# Altium PCB 全兼容主控.PCBDOC (part 1 of 9) (continued)
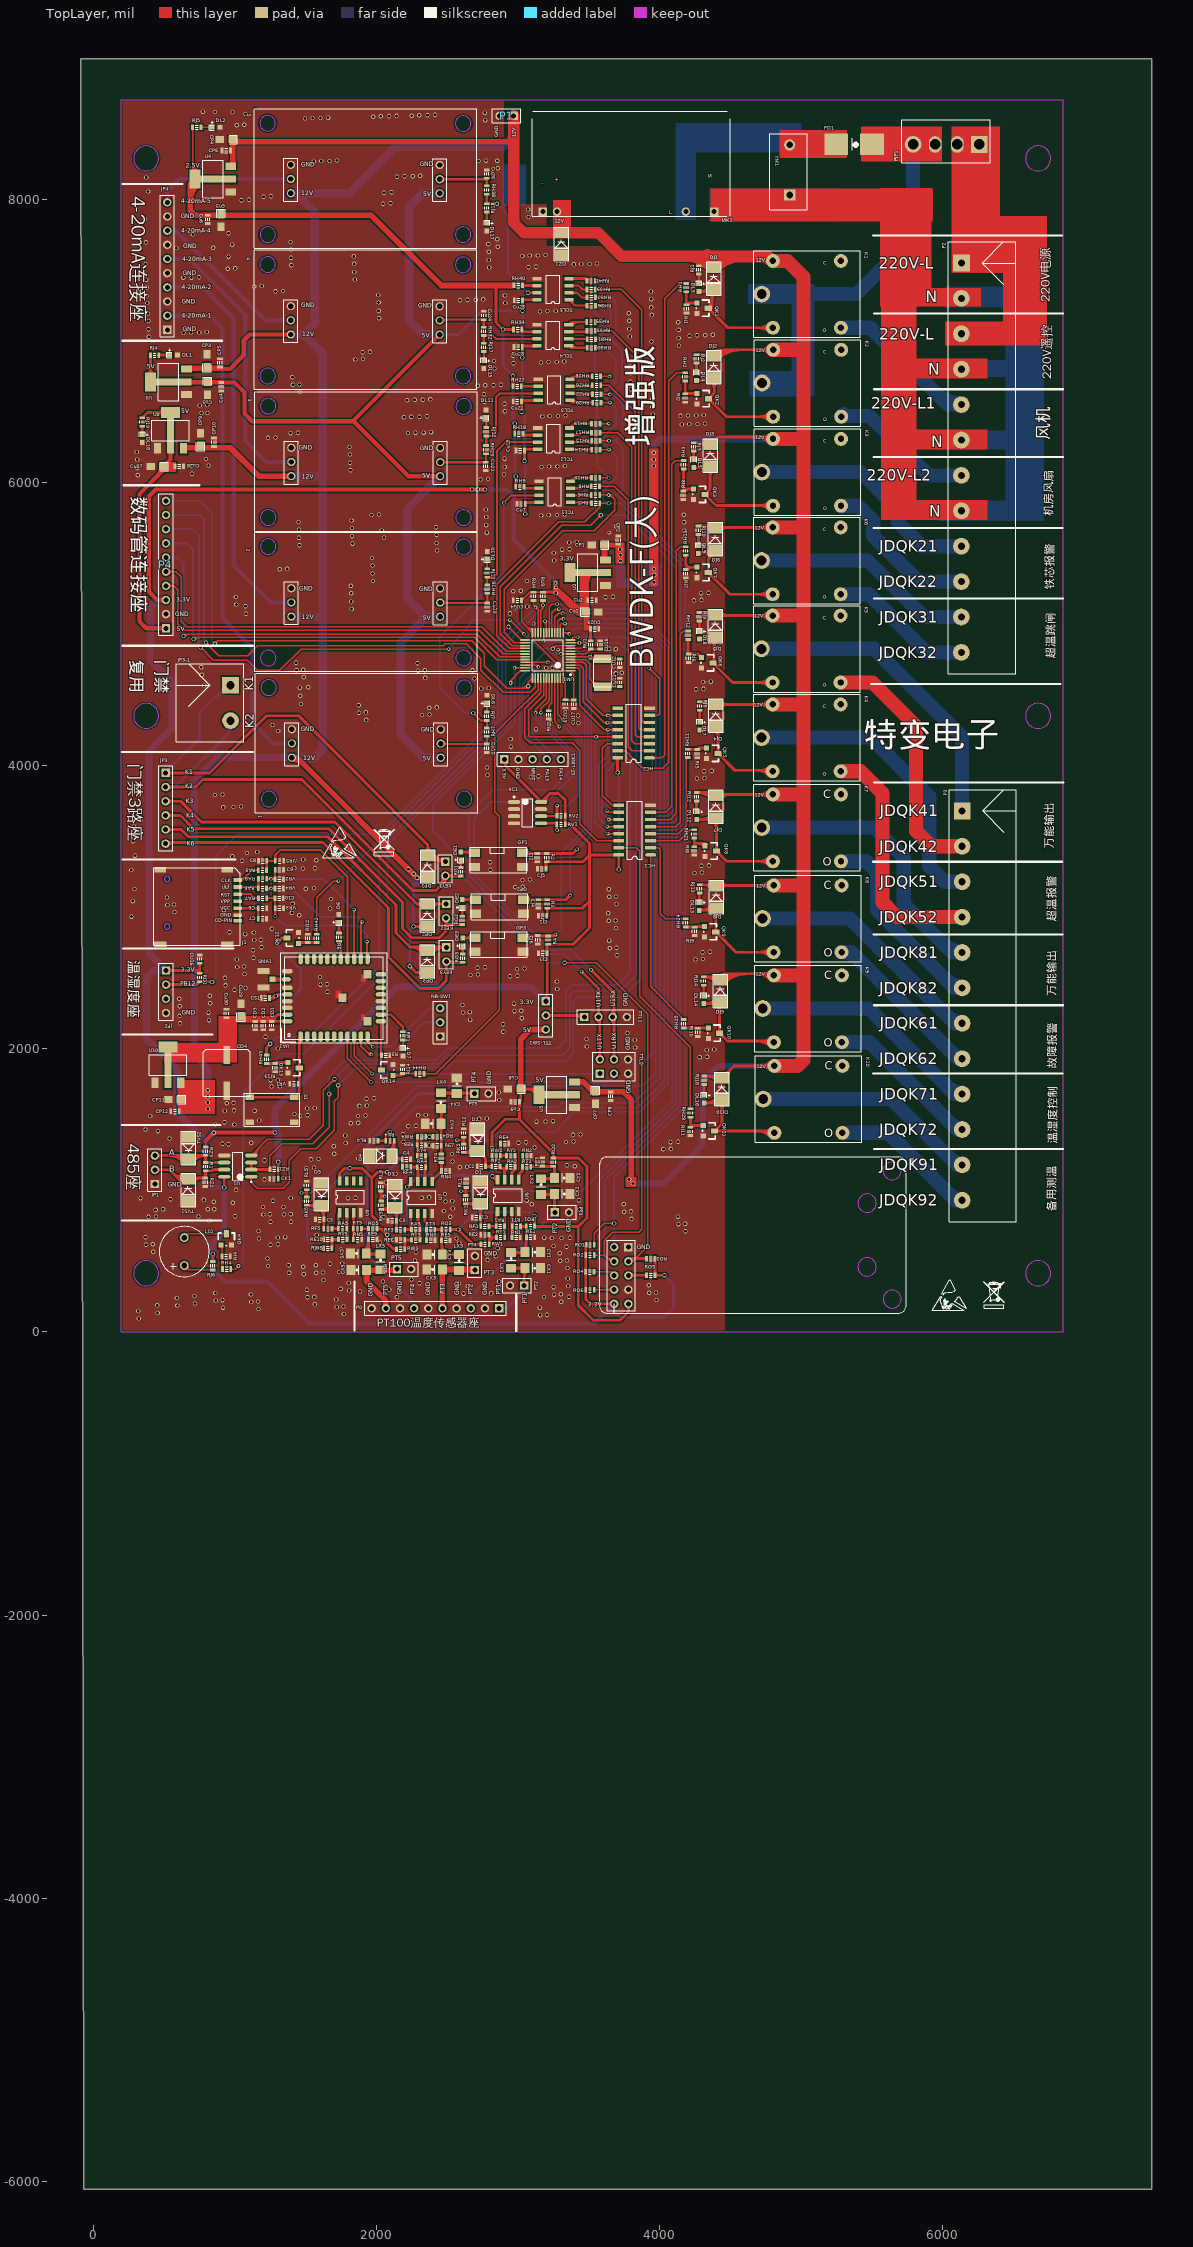
[diagram p0: TopLayer view]
## Components (designator, comment, footprint, x,y, rotation, side; value= is the part's Value field where it differs from the comment) (continued)
RH36 "1K" 0603-1 3517.01,7248.47 r180 top
RH37 "1K" 0603-1 3517.02,7305.96 r180 top
RH38 "1K" 0603-1 2779.6,8064.35 r270 top
RH39 "1K" 0603-1 3516.53,7361.8 r180 top
RH40 "1K" 0603-1 3001.74,7390.56 r0 top
RH41 "1K" 0603-1 3516.17,7422.8 r180 top
RH42 "1K" 0603-1 1577.36,2778.85 r90 top
RH43 "1K" 0603-1 1224.75,1925.69 r90 top
RH44 "1K" 0603-1 2306.75,1821.95 r0 top
RI1 "10K" 0603-1 4190.4,7225.06 r270 top
RI2 "10K" 0603-1 4181,6595.32 r270 top
RI3 "10K" 0603-1 4168.02,5908.33 r270 top
RI4 "10K" 0603-1 938.34,532.69 r0 top
RI5 "10K" 0603-1 4266.15,4083.76 r270 top
RI6 "10K" 0603-1 4204.99,4757.86 r270 top
RI7 "10K" 0603-1 4184.91,5354.35 r270 top
RI8 "10K" 0603-1 4244.57,3397.04 r270 top
RI9 "10K" 0603-1 4247.37,2828.7 r270 top
RI10 "10K" 0603-1 4270.76,2115.42 r270 top
RI11 "10K" 0603-1 4217.69,1415.32 r270 top
RI12 "10K" 0603-1 1514.49,2778.79 r90 top
RI13 "10K" 0603-1 1284.4,1865.94 r270 top
RI14 "10K" 0603-1 2186.97,1853.22 r90 top
RJ1 "10K" 0603-1 4277.03,7500.61 r270 top
RJ2 "10K" 0603-1 4260.78,6871.59 r270 top
RJ3 "10K" 0603-1 4241.9,6250.11 r270 top
RJ4 "10K" 0603-1 433.41,6898.19 r0 top
RJ5 "10K" 0603-1 731.56,8507.38 r0 top
RJ6 "10" 0603-1 845.08,467.11 r270 top
RJ7 "10K" 0603-1 2780.14,4347.54 r90 top
RJ8 "10K" 0603-1 4284.02,4420.13 r270 top
RJ9 "10K" 0603-1 4280.03,5050.22 r270 top
RJ10 "10K" 0603-1 4275.13,5661.57 r270 top
RJ11 "10K" 0603-1 2782.4,5359.42 r90 top
RJ12 "10K" 0603-1 4261.72,3778.79 r270 top
RJ13 "10K" 0603-1 4282.4,3128.62 r270 top
RJ14 "10K" 0603-1 4310.56,2477.72 r270 top
RJ15 "10K" 0603-1 2776.06,6357.06 r90 top
RJ16 "10K" 0603-1 4315.66,1776.6 r270 top
RJ17 "10K" 0603-1 2758.76,6952.88 r270 top
RJ18 "10K" 0603-1 2779.41,7937.83 r270 top
RJ19 "10K" 0603-1 345.15,6425.72 r270 top
RK1 "10K" 0603-1 2631.88,933.3 r270 top
RK2 "10K" 0603-1 2617.2,1297.25 r270 top
RK3 "10K" 0603-1 2033.36,894.33 r270 top
RK4 "10K" 0603-1 2096.16,1350.04 r0 top
RK5 "10K" 0603-1 1507.7,923.46 r270 top
RL1 "10K" 0603-1 2633.97,1049.61 r270 top
RL2 "10K" 0603-1 2616.55,1404.18 r270 top
RL3 "10K" 0603-1 2032.13,1024.16 r270 top
RL4 "10K" 0603-1 1982.56,1350.04 r0 top
RL5 "10K" 0603-1 1506.84,1033.56 r270 top
RN1 "100K" 0603-1 2986.91,668.41 r0 top
RN2 "100K" 0603-1 3062.88,1243.72 r0 top
RN3 "100K" 0603-1 2383.76,648.69 r0 top
RN4 "100K" 0603-1 2488.97,1136.07 r0 top
RN5 "100K" 0603-1 1866.77,652.75 r0 top
RO1 "10K" 0603-1 3509.2,615.4 r180 top
RO2 "10K" 0603-1 3508.59,542.72 r180 top
RO3 "10K" 0603-1 3937.5,516.98 r180 top
RO4 "10K" 0603-1 3506.88,422.98 r180 top
RO5 "10K" 0603-1 3937.69,399.15 r180 top
RO6 "10K" 0603-1 3508.7,296.16 r180 top
RQ1 "2.5K" 0603-1 3087.9,744.4 r0 top
RQ2 "2.5K" 0603-1 3250.04,1198.53 r90 top
RQ3 "2.5K" 0603-1 2491.47,722.65 r0 top
RQ4 "2.5K" 0603-1 2428.94,1378.08 r180 top
RQ5 "2.5K" 0603-1 1974.15,727.78 r0 top
RR1 "10k" 0603-1 2188.12,2090.67 r90 top
RT1 "1K" 0603-1 2988.94,744.03 r0 top
RT2 "1K" 0603-1 3061.27,1167.09 r0 top
RT3 "1K" 0603-1 2383.29,722.33 r0 top
RT4 "1K" 0603-1 2458.58,1226.5 r90 top
RT5 "1K" 0603-1 1866.04,728.61 r0 top
RU1 "10k" 0603-1 3513.53,4851.71 r270 top
RU2 "10k" 0603-1 3217.57,4357.49 r90 top
RU3 "10k" 0603-1 3176.5,5194.67 r270 top
RU4 "10k" 0603-1 3109.84,5194.67 r270 top
RV1 "10K" 0603-1 3303.88,3585.21 r0 top
RV2 "10K" 0603-1 3304.21,3646.17 r0 top
RW1 "2.5K" 0603-1 2767.6,618.71 r180 top
RW2 "2.5K" 0603-1 2845.66,1243.7 r180 top
RW3 "2.5K" 0603-1 2171.29,584.68 r180 top
RW4 "2.5K" 0603-1 2319.36,1377.99 r0 top
RW5 "2.5K" 0603-1 1655.5,591.02 r180 top
RY1 "1K" 0603-1 2876.88,667.92 r180 top
RY2 "1K" 0603-1 2948.71,1244.34 r180 top
RY3 "1K" 0603-1 2277.61,649.09 r180 top
RY4 "1K" 0603-1 2317.67,1242.67 r180 top
RY5 "1K" 0603-1 1762.13,652.76 r180 top
RZ1 "10K" 0603-1 1277.8,1149.68 r0 top
RZ2 "10K" 0603-1 792.65,1056.8 r90 top
RZ3 "10K" 0603-1 793.55,1276.64 r90 top
S1 "SW-PB" "SW_2 - SMT" 1263.44,1568.59 r0 top
SMA1 "IPEX" "IPEX 接头" 1202.95,2432.58 r0 top
ST-LINK1 "Header 5" HDR1X5 2903.28,4043.42 r0 top
TCL1 "TLC5615IDR" SOP-8 3371.87,5858.08 r180 top
TCL2 "TLC5615IDR" SOP-8 3363.54,6233.5 r180 top
TCL3 "TLC5615IDR" SOP-8 3367.9,6578.38 r180 top
TCL4 "TLC5615IDR" SOP-8 3358.9,6963.13 r180 top
TCL5 "TLC5615IDR" SOP-8 3359.74,7289.15 r180 top
TTL1 "Header 4" HDR1X4 3469.08,2223.71 r0 top
TTL2 "Header 3X2" HDR2X3 3578.09,1823.76 r0 top
TTL-SW1 "0603-SW" HDR1X3 3196.42,2334.89 r270 top
TVS1 "" DIODE 620.1,1118.44 r270 top
TVS2 "" DIODE 722.41,1179.23 r90 top
U1 "SN65HVD3082" SOP-8P 1116.39,1095.47 r180 top
U2 "1117-3.3" SOT223 3493.12,5361.86 r90 top
U3 "1117-5V" SOT223 531.84,6709.71 r90 top
U4 "1117-2.5V" SOT223 845.81,8141.87 r90 top
U5 "1117-5V" SOT223 3274.23,1674.69 r90 top
U6 "LM258N" SOP-8 2855.43,850.24 r90 top
U7 "LM258N" SOP-8 2242.88,836.64 r90 top
U8 "1117-5V" SOT223 545.72,6366.8 r0 top
U9 "LM258N" SOP-8 1740.26,840.49 r90 top
U10 "1117-3.3V" SOT223 527.83,1885.48 r0 top
UA1 "Air302" AIR202 1465.07,2085.62 r90 top
UM1 "STM32F030C8T6" LQFP48 3210.71,4777.89 r180 top
VR1 "ESD-TVS-UM5079" 0603-1 1418.3,1753.13 r180 top
VR2 "ESD-TVS-UM5079" 0603-1 1314.38,3197.96 r0 top
VR3 "ESD-TVS-UM5079" 0603-1 1314.97,2993.21 r0 top
VR4 "ESD-TVS-UM5079" 0603-1 1313.51,3131.43 r0 top
VR5 "ESD-TVS-UM5079" 0603-1 1315.48,3326.16 r0 top
W1 "W5500 网口模块" "W5500 网口模块" 3779.8,598.06 r0 top locked
X1 "8MHz" 5032 3598.46,4557.03 r90 top
YM1 "470D" 压敏电阻 4919.14,8028.7 r90 top

## Footprints (in the part's own frame and the unit in brackets; to place one, negate y for a bottom-side part, rotate by r counter-clockwise, add the part's x,y. Pads: shape width x height; smd on the part's side, far side on the other; paste and mask are expansions set on the pad)
0-5Vת4-20mA [mil]
  round 58 hole 38 mask+1: 1(0,0) 2(0,-100) 3(0,-200) 4(1051,-1) 5(1051,-101) 6(1051,-201)
  KeepOutLayer circle w6: c-164,294 r55
  KeepOutLayer circle w6: c-163,-493 r55
  KeepOutLayer circle w6: c1216.63,-493 r55
  KeepOutLayer circle w6: c1217,292 r55
  KeepOutLayer lines w5: -258,397 -253,397
  silkscreen extent -258,-588 1314,397
3.96-4P [mm]
  rect 3x3 hole 1.9: 1(0,0)
  oval 2.286x3 hole 1.9: 2(3.96,0) 3(7.92,0)
  round 3 hole 1.9: 4(11.88,0)
  silkscreen extent -2,-4.41 13.88,3.29
6.35-2P [mm]
  rect 3x3 hole 1.5: 1(0,0)
  round 3 hole 1.5: 2(6.35,0)
  silkscreen extent -3.81,-9.75 10.16,2.35
6.35-12P [mm]
  rect 3x3 hole 1.3: 1(0,0)
  round 3 hole 1.3: 2(6.35,0) 3(12.7,0) 4(19.05,0) 5(25.4,0) 6(31.75,0) 7(38.1,0) 8(44.45,0) 9(50.8,0) 10(57.15,0) 11(63.5,0) 12(69.85,0)
  silkscreen extent -3.81,-2.35 73.66,9.75
"220Vת5V 2A" [mm]
  round 1.5 hole 0.9: 1(0,0) 3(-23.1,0)
  rect 1.5x1.5 hole 0.9: 2(5.08,0) 4(-25.64,0)
  silkscreen extent -27.59,-0.79 7.97,18.01
"0603 - LED" [mil]
  rect 35x33 smd: 1(-28,0) 2(27,0)
  silkscreen extent -49,-20 -12,43
0603-1 [mm] "1.6mm*0.8mm*0.8mm"
  rect 0.5x1 smd: 1(-0.75,0) 2(0.75,0)
  silkscreen extent -0.25,-0.38 0.25,0.38
0805 [mil]
  rect 60x50 smd: 1(0,0) 2(90,0)
  silkscreen extent -33,-31 25,30
1206 [mm]
  rect 1.6x1.8 smd: 1(-1.4,0) 2(1.4,0)
  silkscreen extent -0.48,-0.81 0,0.79
1808 [mm]
  rect 4.24x3.81 smd: 1(0,0) 2(6.38,0)
  silkscreen extent 2.65,-1.06 3.6,1.13
5032 [mm]
  rect 1.5x3.2 smd: 1(0,0) 2(5,0)
  silkscreen extent 0,-1.61 5,1.59
AIR202 [mm]
  oval 1.9x0.8 smd: 1(0,0) 2(0,-1.2) 3(0,-2.4) 4(0,-3.6) 5(0,-4.8) 6(0,-6) 7(0,-7.2) 8(0,-8.4) 9(0,-9.6) 10(0,-10.8) 11(0,-12) 20(13.9,-12) 21(13.9,-10.8) 22(13.9,-9.6) 23(13.9,-8.4) 24(13.9,-7.2) 25(13.9,-6) 26(13.9,-4.8) 27(13.9,-3.6) 28(13.9,-2.4) 29(13.9,-1.2) 30(13.9,0)
  oval 0.8x1.9 smd: 12(2.75,-14.4) 13(3.95,-14.4) 14(5.15,-14.4) 15(6.35,-14.4) 16(7.55,-14.4) 17(8.75,-14.4) 18(9.95,-14.4) 19(11.15,-14.4) 31(11.75,2.4) 33(8.75,2.4) 34(7.55,2.4) 35(6.35,2.4) 36(5.15,2.4) 37(3.95,2.4) 38(2.75,2.4)
  oval 0.8x1.6 smd: 32(10.25,2.55)
  rect 1.5x1.5 smd: 39(2.75,-12) 40(11.15,-12) 41(6.95,-7.5)
  TopLayer pour cut-out: 6,-6.55 7.9,-6.55 7.9,-8.45 6,-8.45
  TopLayer pour cut-out: 10.2,-11.05 12.1,-11.05 12.1,-12.95 10.2,-12.95
  TopLayer pour cut-out: 1.8,-11.05 3.7,-11.05 3.7,-12.95 1.8,-12.95
  silkscreen extent -1.15,-15.55 15.05,3.55
BEEP9055 [mm]
  round 1.6 hole 1: 1(0,0) 2(0,-5)
  silkscreen extent -4.5,-7 4.5,2
DIODE [mm]
  rect 2x2.5 smd: 1(5,1.3) 2(1,1.3)
  silkscreen extent 0,0 6,2.6
HDR1X2 [mm]
  rect 1.5x1.5 hole 0.9: 1(0,0)
  round 1.5 hole 0.9: 2(2.54,0)
  silkscreen extent -1.27,-1.27 3.81,1.27
HDR1X3 [mm]
  rect 1.5x1.5 hole 0.9: 1(0,0)
  round 1.5 hole 0.9: 2(2.54,0) 3(5.08,0)
  silkscreen extent -1.27,-1.27 6.35,1.27
HDR1X4 [mm]
  rect 1.5x1.5 hole 0.9: 1(0,0)
  round 1.5 hole 0.9: 2(2.54,0) 3(5.08,0) 4(7.62,0)
  silkscreen extent -1.27,-1.27 8.89,1.27
HDR1X5 [mm]
  rect 1.5x1.5 hole 0.9: 1(0,0)
  round 1.5 hole 0.9: 2(2.54,0) 3(5.08,0) 4(7.62,0) 5(10.16,0)
  silkscreen extent -1.27,-1.27 11.43,1.27
HDR1X6 [mm]
  rect 1.5x1.5 hole 0.9: 1(0,0)
  round 1.5 hole 0.9: 2(2.54,0) 3(5.08,0) 4(7.62,0) 5(10.16,0) 6(12.7,0)
  silkscreen extent -1.27,-1.27 13.97,1.27
HDR1X10 [mm]
  rect 1.5x1.5 hole 0.9: 1(0,0)
  round 1.5 hole 0.9: 2(2.54,0) 3(5.08,0) 4(7.62,0) 5(10.16,0) 6(12.7,0) 7(15.24,0) 8(17.78,0) 9(20.32,0) 10(22.86,0)
  silkscreen extent -1.27,-1.27 24.13,1.27
HDR2X3 [mm]
  rect 1.5x1.5 hole 0.9: 1(0,0)
  round 1.5 hole 0.9: 2(0,2.54) 3(2.54,0) 4(2.54,2.54) 5(5.08,0) 6(5.08,2.54)
  silkscreen extent -1.27,-1.27 6.35,3.81
"IPEX 接头" [mm]
  rect 2.2x1.05 smd: 1(0,0) 1(0,2.95)
  rect 1.05x1 smd: 2(1.627,1.467)
LQFP48 [mm]
  oval 1.75x0.3 smd: 1(-4.075,2.75) 2(-4.075,2.25) 3(-4.075,1.75) 4(-4.075,1.25) 5(-4.075,0.75) 6(-4.075,0.25) 7(-4.075,-0.25) 8(-4.075,-0.75) 9(-4.075,-1.25) 10(-4.075,-1.75) 11(-4.075,-2.25) 12(-4.075,-2.75) 25(4.075,-2.75) 26(4.075,-2.25) 27(4.075,-1.75) 28(4.075,-1.25) 29(4.075,-0.75) 30(4.075,-0.25) 31(4.075,0.25) 32(4.075,0.75) 33(4.075,1.25) 34(4.075,1.75) 35(4.075,2.25) 36(4.075,2.75)
  oval 0.3x1.75 smd: 13(-2.75,-4.075) 14(-2.25,-4.075) 15(-1.75,-4.075) 16(-1.25,-4.075) 17(-0.75,-4.075) 18(-0.25,-4.075) 19(0.25,-4.075) 20(0.75,-4.075) 21(1.25,-4.075) 22(1.75,-4.075) 23(2.25,-4.075) 24(2.75,-4.075) 37(2.75,4.075) 38(2.25,4.075) 39(1.75,4.075) 40(1.25,4.075) 41(0.75,4.075) 42(0.25,4.075) 43(-0.25,4.075) 44(-0.75,4.075) 45(-1.25,4.075) 46(-1.75,4.075) 47(-2.25,4.075) 48(-2.75,4.075)
  silkscreen extent -4.2,-2.8 2.8,3.57
"Nano-SIM卡 自弹式" [mm]
  rect 1.5x0.65 smd: 1(0.3,0) 2(0.3,0.95) 3(0.3,2.22) 4(0.3,3.49) 5(0.3,4.76) 6(0.3,6.03) 7(0.3,7.3)
  rect 2.2x1 smd: 2(-13.615,-4.2) 2(-1.615,-4.2)
  rect 2.1x1 smd: 2(-13.615,9.1) 2(-1.615,9.1)
  KeepOutLayer circle w0.1: c-12.365,-1.03 r0.5
  KeepOutLayer circle w0.1: c-12.365,7.47 r0.5
  silkscreen extent -14.79,-4.42 0.77,9.45
NPN-SOT3 [mil]
  rect 36x50 smd: 1(38,80)
  rect 36x36 smd: 2(0,0) 3(75,0)
  silkscreen extent -20,-5 95,85
"PC817 SMD-4P" [mm]
  round 1 on Top Overlay: 0(1.772,0.018)
  rect 2x1.5 smd: 1(0,0) 2(0,-2.54) 3(8.625,-2.54) 4(8.625,0)
  silkscreen extent -0.77,-3.56 9.39,1.04
SOP-8 [mil]
  rect 65x25 smd: 1(0,0) 2(0,-50) 3(0,-100) 4(0,-150) 5(224.41,-150) 6(224.41,-100) 7(224.41,-50) 8(224.41,0)
  silkscreen extent 65,-175 159,25
SOP-8P [mm]
  oval 2.2x0.7 smd: 1(0,0) 2(0,-1.27) 3(0,-2.54) 4(0,-3.81) 5(4.85,-3.81) 6(4.85,-2.54) 7(4.85,-1.27) 8(4.85,0)
  silkscreen extent -0.12,-4.41 3.35,1.02
SOP-16 [mil]
  oval 76x24 smd: 1(0,0)
  rect 76x24 smd: 2(0,-50) 3(0,-100) 4(0,-150) 5(0,-200) 6(0,-250) 7(0,-300) 8(0,-350) 9(225,-350) 10(225,-300) 11(225,-250) 12(225,-200) 13(225,-150) 14(225,-100) 15(225,-50) 16(225,0)
  silkscreen extent 60,-380 165,30
SOT223 [mm]
  rect 1.27x1.95 smd: 1(-2.3,-3.197) 3(2.3,-3.197)
  rect 3.4x1.95 smd: 2(0,3.203)
  rect 1.27x7.62 smd: 2(0,-0.356)
  silkscreen extent -3.35,-1.82 3.35,1.83
"SW_2 - SMT" [mm]
  rect 1.5x1 smd: 1(-4,2.25) 1(4,2.25) 2(-4,-2.25) 2(4,-2.25)
  silkscreen extent -4.97,-2.92 4.93,2.92
"W5500 网口模块" [mm]
  rect 1.5x1.5 hole 0.9: 1(0,0)
  round 1.5 hole 0.9: 2(-2.54,0) 3(0,-2.54) 4(-2.54,-2.54) 5(0,-5.08) 6(-2.54,-5.08) 7(0,-7.62) 8(-2.54,-7.62) 9(0,-10.16) 10(-2.54,-10.16)
  KeepOutLayer circle w0.051: c42.821,7.897 r1.65
  KeepOutLayer circle w0.051: c42.821,-3.533 r1.65
  KeepOutLayer circle w0.05: c47.32,13.679 r1.6
  KeepOutLayer circle w0.05: c47.319,-9.32 r1.6
  silkscreen extent -5.18,-11.82 49.82,16.18
压敏电阻 [mm]
  rect 2x2 hole 1.2: 1(0,0)
  round 2 hole 1.2: 2(9,0)
  silkscreen extent -2.59,-3.13 11.02,3.62
"继电器 松乐SRD-12VDC-SL-C" [mm]
  round 3 hole 1.778: 1(0,0)
  round 2.5 hole 1.143: 2(14.2,5.952) 3(14.2,-6.048) 4(2,5.952) 5(2,-6.048)
  silkscreen extent -1.4,-7.75 17.7,7.75
贴片电容-1000UF-10.4X10.4 [mm]
  rect 3.3x1.2 smd: 1(-3.2,0) 2(3.2,0)
  silkscreen extent -4.2,-4.2 4.2,4.2

## Part data
1 2 3 4 5: library part "Header 3X2A", "Header, 3-Pin, Dual row"
C1 C2 C3 C4 C5 Cu1 Cu2 Cu3 Cu4 Cu5 Cu6 Cu7 Cu8 Cu9 Cu10 CU13 CU14 Cu15 CU16 CU18 Cu19 CU20 Cu21 Cu22 Cu23 Cu24 Cu25 Cu26 Cu27 Cu28 Cu29 Cu30 CX1 CX2 CX3 CX4 CX5 CY1 CY2 CY3 CY4 CY5: library part Cap, "Capacitor"
C6 C7 C8 C9 C10: library part "CAP NP_Dup4"
CD1: library part CAP-18PF-0402-C0G, "CAP CER C0G;18PF;+/-5%;50V;0402;0.5mm;ROHS"
CD2: library part CAP-33PF-0402-C0G, "CAP CER C0G;33PF;+/-5%;50V;0402;0.5mm;ROHS"
CD3: library part CAP-0.1UF-0402-X7R, "CAP CER X7R;0.1uF;+/-10%;16V;0402;0.5mm;ROHS"
CD4: library part CAP-AL-1000UF-10.4X10.4
CJ1 CJ2 CJ3 CJ4 CJ5 CJ6 CK1 CP2 CP5 CP6 CP8 CP10 CP12 CS1: "Capacitor"
CP1 CP3 CP4 CP7 CP9 CP11: library part 104, "Capacitor"
CU11 CU12 CU17: library part CAP, "Capacitor"
D1 D2 D3 D4 D5: library part "D Zener", "Zener Diode"
D6 D7: library part DIODE-LED-BLUE-0603, "LED;Blue;3V;LED-0603;0.5mm;ROHS"
DE1 DE2 DE3 DL1 DL2 DL3 DL4 DL5 DL6 DL7 DL8 DL9 DL10 DL11 DL12 DL13 DL14 DL15 DL16 DL17 DL18: library part LED1, "Typical RED GaAs LED"
DJ1 DJ2 DJ3 DJ4 DJ5 DJ6 DJ7 DJ8 DJ9 DJ10: library part DIODE, "Diode"
DP1 DP2 DP3 DZ1: library part D
FD1: library part "Fuse 1", "Fuse"
JP1 NB-SW1: "Header, 3-Pin"
JP2 TTL1: "Header, 4-Pin"
JP3: "Header, 6-Pin"
JP3-1 KEY1 KEY2 KEY3 P1 PT2 PT3 PT4 PT5 PT6 SMA1: library part "Header 2", "Header, 2-Pin"
JP4 P0 P4: "Header, 10-Pin"
K1 K2 K3 K4 K5 K6 K7 K8 K9 K10: library part RELAY-SPDT
LS1: library part Speaker, "Loudspeaker"
LX1 LX2 LX3 LX4 LX5: library part L
MK1: library part "Header 2X2", "Header, 2-Pin, Dual row"
P2 P3: library part "Header 12", "Header, 12-Pin"
PJP1: library part "Header 4", "Header, 4-Pin"
QK1 QK2 QK3 QK4 QK5 QK6 QK7 QK8 QK9 QK10 QK11: library part NPN, "NPN Bipolar Transistor"
QK12 QK13 QK14: "NPN Bipolar Transistor"
R1: library part R1005_0
R2 R3 R4 RA1 RA2 RA3 RA4 RA5 RD1 RE1 RE2 RE3 RE4 RE5 RE6 RE7 RE8 RE9 RE10 RF1 RF2 RF3 RF4 RF5 RK1 RK2 RK3 RK4 RK5 RL1 RL2 RL3 RL4 RL5 RN1 RN2 RN3 RN4 RN5 RO1 RO2 RO3 RO4 RO5 RO6 RQ1 RQ2 RQ3 RQ4 RQ5 RT1 RT2 RT3 RT4 RT5 RU1 RU2 RU3 RU4 RV1 RV2 RW1 RW2 RW3 RW4 RW5 RY1 RY2 RY3 RY4 RY5 RZ1 RZ2 RZ3 YM1: library part Res2, "Resistor"
R5: library part RES-10K-0402, "RES FILM;10K;+/-5%;1/16W;0402;0.4mm;ROHS"
R6: library part RES-510-0402
RA6: library part R
RA7 RA8 RA9: library part R_Dup2
RG1 RG2 RG3: library part Res1, "Resistor"
RH1 RH2 RH3 RH4 RH5 RH6 RH7 RH8 RH9 RH10 RH11 RH12 RH13 RH14 RH15 RH16 RH17 RH18 RH19 RH20 RH21 RH22 RH23 RH24 RH25 RH26 RH27 RH28 RH29 RH30 RH31 RH32 RH33 RH34 RH35 RH36 RH37 RH38 RH39 RH40 RH41 RH42 RH43 RH44 RI1 RI2 RI3 RI4 RI5 RI6 RI7 RI8 RI9 RI10 RI11 RI12 RI13 RI14 RJ1 RJ2 RJ3 RJ4 RJ5 RJ6 RJ7 RJ8 RJ9 RJ10 RJ11 RJ12 RJ13 RJ14 RJ15 RJ16 RJ17 RJ18 RJ19: library part RES2
RR1: library part RES-1K-0402, "RES FILM;1K;+/-5%;1/16W;0402;0.4mm;ROHS"
S1: "Switch"
ST-LINK1: "Header, 5-Pin"
TTL2: "Header, 3-Pin, Dual row"
TTL-SW1: library part "Header 3", "Header, 3-Pin"
TVS1 TVS2: library part "Diode 10TQ035", "Schottky Rectifier"
U2: "800mA and 1A Low Dropout Positive Regulator 2.85V, 3.3V, 5V, and Adjustable"
U3 U4 U5 U8 U10: library part 1117-3.3, "800mA and 1A Low Dropout Positive Regulator 2.85V, 3.3V, 5V, and Adjustable"
U6 U7 U9: "Dual Low-Power Operational Amplifier"
VR1 VR2 VR3 VR4 VR5: "TVS;7V;65pf;SOD882;ROHS"
X1: library part XTAL, "Crystal Oscillator"

## Via types
v1: diameter 30, hole 20, TopLayer to BottomLayer, 758 vias
v2: diameter 25, hole 15, TopLayer to BottomLayer, 81 vias

## Nets (pads, with @x,y where several pads share a name; then routed paths per layer and width w, separated by ;. In a path a pad name is that pad's centre, name@x,y a point inside that pad or via, vN(x,y) a via of type N, cw(c..) or ccw(c..) an arc to the next point about the centre after c; other vN are vias at no path point)
220V-L: P2.1 P2.3 PJP1.1 PJP1.2
220Vout1: K1.3 P2.5 | length 1691.8
  BottomLayer w100: K1.3@5280.86,7091.5 5489.67,7091.5 6032.46,6548.71 P2.5@6131.71,6548.71 ; 5946.82,6634.35 ccw(c6131.71,6819.25) P2.5@6131.71,6557.77 ; 5946.82,6634.35 ccw(c6131.71,6819.25) P2.5@6131.71,6557.77 ; 5946.82,6634.35 ccw(c6131.71,6819.25) P2.5@6131.71,6557.77
220Vout2: K2.3 P2.7 | length 1041.9
  BottomLayer w100: K2.3@5282.72,6463.5 K2.3@5299.76,6480.54 ; K2.3@5287.85,6468.63 5481.66,6468.63 5901.58,6048.71 P2.7@6131.71,6048.71
485-RE: RZ1.1 U1.2 U1.3 UM1.11 | length 6968.6
  TopLayer w10: RZ1.1@1248.28,1149.68 1248.28,1244.61 1332.05,1328.38 1550.98,1328.38 1668.64,1446.04 1668.64,1677.68 v1(1666.28,1680.03) ; UM1.11@3371.14,4866.47 v2(3434.54,4866.47) ; RZ1.1@1244.85,1162.95 ccw(c1236.58,1171.21) 1248.28,1171.21 ; RZ1.1@1244.85,1162.95 ccw(c1236.58,1171.21) 1248.28,1171.21 ; RZ1.1@1244.85,1162.95 ccw(c1236.58,1171.21) 1248.28,1171.21 ; 1248.28,1171.21 ccw(c1259.97,1171.21) RZ1.1@1251.7,1162.95 ; 1248.28,1171.21 ccw(c1259.97,1171.21) RZ1.1@1251.7,1162.95 ; 1248.28,1171.21 ccw(c1259.97,1171.21) RZ1.1@1251.7,1162.95 ; v1@1659.21,1672.96 cw(c1636.46,1650.21) 1668.64,1650.21 ; v1@1659.21,1672.96 cw(c1636.46,1650.21) 1668.64,1650.21 ; v1@1659.21,1672.96 cw(c1636.46,1650.21) 1668.64,1650.21 ; 1668.64,1661.57 cw(c1684.74,1661.57) v1@1673.35,1672.96 ; 1668.64,1661.57 cw(c1684.74,1661.57) v1@1673.35,1672.96 ; 1668.64,1661.57 cw(c1684.74,1661.57) v1@1673.35,1672.96 ; 3416.43,4866.47 cw(c3416.43,4848.36) v2@3429.24,4861.17 ; 3416.43,4866.47 ccw(c3416.43,4884.58) v2@3429.24,4871.77 ; 3416.43,4866.47 cw(c3416.43,4848.36) v2@3429.24,4861.17 ; 3416.43,4866.47 ccw(c3416.43,4884.58) v2@3429.24,4871.77 ; 3416.43,4866.47 cw(c3416.43,4848.36) v2@3429.24,4861.17 ; 3416.43,4866.47 ccw(c3416.43,4884.58) v2@3429.24,4871.77
  TopLayer w20: U1.3@1116.39,1195.47 U1.2@1116.39,1145.47 1244.07,1145.47 RZ1.1@1248.28,1149.68 ; RZ1.1@1238.51,1145.47 ccw(c1238.51,1159.45) RZ1.1@1248.39,1149.57 ; RZ1.1@1238.51,1145.47 ccw(c1238.51,1159.45) RZ1.1@1248.39,1149.57 ; RZ1.1@1238.51,1145.47 ccw(c1238.51,1159.45) RZ1.1@1248.39,1149.57
  BottomLayer w10: v1(1666.28,1680.03) 1666.28,1806.18 1777.11,1917.01 2420.45,1917.01 2505.99,2002.54 3282.48,2002.54 3337.65,2057.71 3337.65,2407.9 3382.02,2452.27 3704.63,2452.27 3793.1,2540.75 3793.1,4789.75 3716.38,4866.47 v2(3434.54,4866.47) ; v1@1659.21,1687.11 ccw(c1642.14,1704.18) 1666.28,1704.18 ; v1@1659.21,1687.11 ccw(c1642.14,1704.18) 1666.28,1704.18 ; v1@1659.21,1687.11 ccw(c1642.14,1704.18) 1666.28,1704.18 ; 1666.28,1704.18 ccw(c1690.42,1704.18) v1@1673.35,1687.11 ; 1666.28,1704.18 ccw(c1690.42,1704.18) v1@1673.35,1687.11 ; 1666.28,1704.18 ccw(c1690.42,1704.18) v1@1673.35,1687.11 ; v2@3439.84,4861.17 cw(c3452.65,4848.36) 3452.65,4866.47 ; v2@3439.84,4861.17 cw(c3452.65,4848.36) 3452.65,4866.47 ; v2@3439.84,4861.17 cw(c3452.65,4848.36) 3452.65,4866.47 ; v2@3439.84,4871.77 ccw(c3452.65,4884.58) 3452.65,4866.47 ; v2@3439.84,4871.77 ccw(c3452.65,4884.58) 3452.65,4866.47 ; v2@3439.84,4871.77 ccw(c3452.65,4884.58) 3452.65,4866.47
+5V: Cu8.1 Cu9.2 RQ1.2 RQ2.2 RQ3.2 RQ4.2 RQ5.2 RW1.2 RW2.2 RW3.2 RW4.2 RW5.2 TTL-SW1.3 U5.2 U6.8 U7.8 U9.8 W1.9 | length 10267.7
  TopLayer w20: v1(1565.98,591.02) RW5.2@1625.97,591.02 ; U9.8@1740.26,1064.9 1740.26,1119.21 1776.7,1155.66 1897.99,1155.66 1967.15,1086.5 ; v1(2076.24,1127.08) 2007.73,1127.08 1967.15,1086.5 ; RW3.2@2141.76,584.68 2119.74,584.68 2076.61,627.81 v1(2076.61,685.61) 2034.43,727.78 RQ5.2@2003.68,727.78 2003.68,785.07 1967.15,821.6 1967.15,1086.5 ; v1(2218.09,1022.8) 2242.88,1047.58 U7.8@2242.88,1061.05 ; RW4.2@2348.89,1377.99 2399.31,1377.99 RQ4.2@2399.41,1378.08 ; RQ3.2@2521,722.65 v1(2577.35,722.65) 2681.28,618.71 RW1.2@2738.07,618.71 ; RW2.2@2816.13,1243.7 2816.13,1408.75 2908.33,1500.95 3010.37,1500.95 ; v1(2820.57,1098.71) 2844.63,1074.65 U6.8@2855.43,1074.65 ; v1(3117.42,818.34) RQ1.2@3117.42,744.4 3425.86,744.4 ; U5.2@3190.44,1671.06 3147.22,1714.28 Cu8.1@3019.37,1714.28 3019.37,1634.11 Cu9.2@3010.37,1625.12 3010.37,1500.95 ; W1.9@3779.8,198.06 3779.8,139.67 3722.62,82.49 3530.73,82.49 3425.86,187.36 3425.86,744.4 ; v1@2227.47,1032.17 cw(c2242.88,1016.76) U7.8@2242.88,1038.55 ; v1@2227.47,1032.17 cw(c2242.88,1016.76) U7.8@2242.88,1038.55 ; v1@2227.47,1032.17 cw(c2242.88,1016.76) U7.8@2242.88,1038.55 ; Cu8.1@3008.76,1703.67 cw(c2983.15,1678.07) 3019.37,1678.07 ; Cu8.1@3008.76,1703.67 cw(c2983.15,1678.07) 3019.37,1678.07 ; Cu8.1@3008.76,1703.67 cw(c2983.15,1678.07) 3019.37,1678.07 ; 3010.37,1500.95 3250.04,1261.28 RQ2.2@3250.04,1228.05 3427.32,1228.05 3486.35,1169.02 3486.35,804.89 3425.86,744.4 ; Cu9.2@3010.48,1634.85 ccw(c2989.04,1656.29) 3019.37,1656.29 ; Cu9.2@3010.48,1634.85 ccw(c2989.04,1656.29) 3019.37,1656.29 ; Cu9.2@3010.48,1634.85 ccw(c2989.04,1656.29) 3019.37,1656.29 ; 3019.37,1678.07 cw(c3055.58,1678.07) Cu8.1@3029.97,1703.67 ; 3019.37,1678.07 cw(c3055.58,1678.07) Cu8.1@3029.97,1703.67 ; 3019.37,1678.07 cw(c3055.58,1678.07) Cu8.1@3029.97,1703.67 ; Cu8.1@3034.97,1703.67 cw(c3060.58,1678.07) 3060.58,1714.28 ; Cu8.1@3034.97,1703.67 cw(c3060.58,1678.07) 3060.58,1714.28 ; Cu8.1@3034.97,1703.67 cw(c3060.58,1678.07) 3060.58,1714.28 ; Cu8.1@3034.97,1724.89 ccw(c3060.58,1750.49) 3060.58,1714.28 ; Cu8.1@3034.97,1724.89 ccw(c3060.58,1750.49) 3060.58,1714.28 ; Cu8.1@3034.97,1724.89 ccw(c3060.58,1750.49) 3060.58,1714.28 ; 3052.94,1714.28 cw(c3052.94,1608.05) U5.2@3128.06,1683.17 ; 3052.94,1714.28 cw(c3052.94,1608.05) U5.2@3128.06,1683.17 ; 3052.94,1714.28 cw(c3052.94,1608.05) U5.2@3128.06,1683.17 ; 3101.23,1714.28 cw(c3101.23,1656.33) U5.2@3142.2,1697.31 ; 3101.23,1714.28 cw(c3101.23,1656.33) U5.2@3142.2,1697.31 ; 3101.23,1714.28 cw(c3101.23,1656.33) U5.2@3142.2,1697.31 ; 3106.26,1714.28 ccw(c3106.26,1745.11) U5.2@3128.06,1723.31 ; 3106.26,1714.28 ccw(c3106.26,1745.11) U5.2@3128.06,1723.31 ; 3106.26,1714.28 ccw(c3106.26,1745.11) U5.2@3128.06,1723.31 ; U5.2@3153.63,1668.36 cw(c3173.33,1645.64) U5.2@3194.59,1666.91 ; U5.2@3153.63,1668.36 cw(c3173.33,1645.64) U5.2@3194.59,1666.91 ; U5.2@3153.63,1668.36 cw(c3173.33,1645.64) U5.2@3194.59,1666.91 ; U5.2@3160.43,1701.07 cw(c3139.88,1680.51) U5.2@3168.08,1673.49 ; U5.2@3160.43,1701.07 cw(c3139.88,1680.51) U5.2@3168.08,1673.49 ; U5.2@3160.43,1701.07 cw(c3139.88,1680.51) U5.2@3168.08,1673.49 ; W1.9@3765.99,184.25 cw(c3732.66,150.92) 3779.8,150.92 ; W1.9@3765.99,184.25 cw(c3732.66,150.92) 3779.8,150.92 ; W1.9@3765.99,184.25 cw(c3732.66,150.92) 3779.8,150.92 ; 3779.8,150.92 cw(c3826.94,150.92) W1.9@3793.61,184.25 ; 3779.8,150.92 cw(c3826.94,150.92) W1.9@3793.61,184.25 ; 3779.8,150.92 cw(c3826.94,150.92) W1.9@3793.61,184.25
  TopLayer w40: Cu8.1@3019.37,1714.28 3019.37,2067 3087.25,2134.88 TTL-SW1.3@3196.42,2134.88
  BottomLayer w20: v1(1565.98,591.02) 1511.14,645.86 1511.14,853.11 v1(1813.69,1155.66) ; v1(2076.24,1127.08) 2327.15,1377.99 v1(2374.86,1377.99) ; v1(2076.61,685.61) 2113.65,722.65 v1(2577.35,722.65) ; 2274.05,722.65 2218.09,778.6 v1(2218.09,1022.8) 2298.45,1103.16 v1@2816.13,1103.16 ; v1@2580.1,725.4 2699.8,845.1 3090.66,845.1 v1(3117.42,818.34) ; v1(2816.13,1298.58) v1@2816.13,1103.16 ; v1(2820.57,1098.71) v1@2816.13,1103.16 ; 2797.77,1103.16 cw(c2797.77,1075.92) v1@2817.04,1095.18 ; 2797.77,1103.16 cw(c2797.77,1075.92) v1@2817.04,1095.18 ; 2797.77,1103.16 cw(c2797.77,1075.92) v1@2817.04,1095.18 ; 2816.13,1121.51 ccw(c2843.37,1121.51) v1@2824.11,1102.25 ; 2816.13,1121.51 ccw(c2843.37,1121.51) v1@2824.11,1102.25 ; 2816.13,1121.51 ccw(c2843.37,1121.51) v1@2824.11,1102.25